# Allegro board 038RT-9068CJK8E-A100_0921.brd (continued)
## Routing (per net, layer and track width the routed paths; a pad name or vN(x,y) marks a point on that pad's centre or on a via; arc(x,y) is an arc through that point) (continued)
SG0_GPIOC_5: length 78.8
  L03_SIGNAL w0.102: v1(95,202.22) 95.4,202.62 100.22,202.62
  L03_SIGNAL w0.145: 100.22,202.62 103.17,202.62 105.24,200.54 118.13,200.54 119.11,201.51 125.65,201.51 126.26,202.12 133.38,202.12 135.9,199.6 140.24,199.6 140.94,198.9 150.63,198.9 155.89,193.64 157.13,193.64 160.74,190.03 160.74,186 v2(161.37,185.37)
  BOTTOM w0.115: R573.1 v2(161.37,185.37)
SG0_GPIOD_0: length 70.2
  L05_SIGNAL w0.102: v1(95.8,201.42) 96.2,201.02 96.2,198.6
  L05_SIGNAL w0.105: 96.2,198.6 96.2,196.93 97.72,195.41 97.72,192.54 106.02,184.23 113.15,184.23 114.54,185.62 125.43,185.62 125.92,186.11 125.92,189.06 126.33,189.47 126.33,190.89 127.04,191.6 128.46,191.6 128.69,191.83 133.11,191.83 135.34,189.6 143.59,189.6 143.6,189.59 145.58,189.59 v2(147.4,187.77)
SG0_GPIOD_1: length 74.4
  L03_SIGNAL w0.102: v1(95.8,202.22) 96.2,201.82 100.22,201.82
  L03_SIGNAL w0.145: 100.22,201.82 102.83,201.82 104.77,199.89 127.07,199.89 127.89,200.71 133.87,200.71 135.71,198.86 139.63,198.86 140.66,197.83 150.85,197.83 155.64,193.05 155.78,193.05 155.82,193 156.66,193 159.5,190.16 159.5,185.96 v2(160.1,185.37)
SG0_GPIOD_2: length 86.6
  L07_SIGNAL w0.102: v1(96.6,205.42) 97,205.82 100.22,205.82
  L07_SIGNAL w0.105: 100.22,205.82 100.7,205.82 101.63,204.89 101.63,201.87 108.62,194.88 111.3,194.88 116.88,189.29 126.64,189.29 131.03,193.68 161.79,193.68 167.08,188.38 167.08,186 v2(167.72,185.37)
SG0_GPIOE_0: length 76.7
  L03_SIGNAL w0.102: 100.22,203.42 97,203.42 v1(96.6,203.82)
  L03_SIGNAL w0.145: 100.22,203.42 103.75,203.42 105.06,202.11 125.4,202.11 126.09,202.8 133.93,202.8 135.82,200.9 145.23,200.9 146.31,199.82 150.73,199.82 156.27,194.28 157.87,194.28 162,190.14 162,186 v2(162.64,185.37)
SG0_GPIOE_1: length 79.1
  L03_SIGNAL w0.102: 100.22,204.22 97,204.22 v1(96.6,204.62)
  L03_SIGNAL w0.145: 100.22,204.22 125.55,204.22 126.26,203.51 135.21,203.51 135.84,202.88 148.67,202.88 156.67,194.88 160.96,194.88 163.27,192.56 163.27,186 v2(163.91,185.37)
SG0_GPIOE_2: length 84.9
  L07_SIGNAL w0.102: 95.4,198.6 95.4,203.42 v1(95,203.82)
  L07_SIGNAL w0.105: v2(160.1,187.77) 160.1,189.01 157.34,191.77 132.03,191.77 126.05,185.79 119.17,185.79 118.28,184.91 102.35,184.91 98.92,188.34 98.92,194.9 95.4,198.42 95.4,198.6
SG0_GPIOE_3: length 83.5
  L07_SIGNAL w0.102: v1(94.2,203.82) 94.6,203.42 94.6,198.6
  L07_SIGNAL w0.105: 94.6,198.6 94.6,198.14 98.16,194.58 98.16,188.02 101.9,184.28 118.6,184.28 119.4,185.08 127.72,185.08 128.7,186.06 147.07,186.06 147.92,186.91 147.92,188.76 148.54,189.38 157.22,189.38 v2(158.83,187.77)
SG0_GPIOE_4: length 86.9
  L07_SIGNAL w0.102: 96.35,198.6 96.2,198.75 96.2,203.42 v1(95,204.62)
  L07_SIGNAL w0.105: 96.35,198.6 99.72,195.23 99.72,188.67 102.91,185.48 117.89,185.48 118.76,186.35 125.7,186.35 131.76,192.41 158.01,192.41 v2(162.64,187.77)
SG0_GPIOF_0: length 91.4
  L07_SIGNAL w0.102: v1(94.2,204.62) 93.8,204.22 93.8,198.6
  L07_SIGNAL w0.105: 93.8,198.6 93.8,198.08 96.48,195.4 96.48,185.61 99.04,183.04 148.77,183.04 149.41,183.69 149.41,188.29 149.7,188.58 156.48,188.58 156.95,188.11 156.95,185.98 v2(157.56,185.37)
  BOTTOM w0.115: R577.1 v2(157.56,185.37)
SG0_GPIOF_1: length 87.5
  L07_SIGNAL w0.102: v1(93.4,204.62) 93,204.22 93,198.6
  L07_SIGNAL w0.105: v2(156.29,185.37) 154.96,186.7 151.28,186.7 150.59,186 150.59,183.68 149.31,182.39 98.56,182.39 95.68,185.27 95.68,195.23 93,197.9 93,198.6
  BOTTOM w0.115: R576.1 v2(156.29,185.37)
SG0_GPIOF_2: length 87.4
  L07_SIGNAL w0.102: 92.2,198.6 92.2,204.22 v1(92.6,204.62)
  L07_SIGNAL w0.105: 92.2,198.6 92.2,197.78 94.58,195.4 94.58,184.38 97.26,181.71 149.71,181.71 151.82,183.81 151.82,185.56 152.27,186.01 154.37,186.01 v2(155.02,185.37)
  BOTTOM w0.115: R575.1 v2(155.02,185.37)
SG0_GPIOF_3: length 86.7
  L07_SIGNAL w0.102: v1(91.8,204.62) 91.4,204.22 91.4,198.6
  L07_SIGNAL w0.105: v2(153.75,185.37) 153.1,184.72 153.1,183.68 150.53,181.1 96.73,181.1 93.78,184.05 93.78,195.16 91.4,197.55 91.4,198.6
  BOTTOM w0.115: R574.1 v2(153.75,185.37)
SG0_GPIOF_4: length 86.7
  L07_SIGNAL w0.102: 100.22,205.02 95.4,205.02 v1(95,205.42)
  L07_SIGNAL w0.105: v2(166.45,185.37) 165.6,186.22 165.6,188.59 161.15,193.04 131.33,193.04 126.78,188.49 116.55,188.49 110.96,194.08 108.29,194.08 100.83,201.54 100.83,204.56 100.37,205.02 100.22,205.02
SG0_HL_P1_TXD0: length 7.5
  BOTTOM w0.115: RRG51.1 RRG52.1 136.24,233.08 136.46,232.87 140,232.87 K225.2
SG0_HL_P1_TXD1: length 7.5
  BOTTOM w0.115: K225.7 139.96,232.05 136.46,232.05 136.2,231.79 RRG54.1 RRG53.1
SG0_HL_P1_TXD2: length 7.5
  BOTTOM w0.115: RRG55.1 RRG56.1 151.48,233.08 151.7,232.87 155.24,232.87 K226.2
SG0_HL_P1_TXD3: length 7.5
  BOTTOM w0.115: RRG57.1 RRG58.1 151.44,231.79 151.7,232.05 155.2,232.05 K226.7
SG0_HL_P5_TXD0: length 7.5
  BOTTOM w0.115: K227.2 140,239.22 136.46,239.22 136.24,239.43 RRG92.1 RRG91.1
SG0_HL_P5_TXD1: length 7.5
  BOTTOM w0.115: K227.7 139.96,238.4 136.46,238.4 136.2,238.14 RRG94.1 RRG93.1
SG0_HL_P5_TXD2: length 7.5
  BOTTOM w0.115: K228.2 155.24,239.22 151.7,239.22 151.48,239.43 RRG96.1 RRG95.1
SG0_HOLD: length 40.3
  L03_SIGNAL w0.102: v1(95,211.02) 94.6,211.42 94.6,213.74
  L03_SIGNAL w0.145: 94.6,213.74 94.6,214.94 92.39,217.15 89.14,217.15 88.5,216.51 84.27,216.51 83.67,215.91 74.87,215.91 71.57,219.22 68.4,219.22 67.93,219.69 67.93,220.7 v1(64.02,224.61)
SG0_INH: length 68.2
  L05_SIGNAL w0.102: v1(91.8,201.42) 92.2,201.02 92.2,198.6
  L05_SIGNAL w0.105: v2(133.43,185.37) 132.81,185.98 132.81,188.19 131.96,189.05 129.84,189.05 128.69,187.91 128.69,181.99 127.97,181.26 127.62,181.26 102.35,181.26 102.34,181.27 101.7,181.27 100.64,182.33 95.99,182.33 92.54,185.78 92.54,195.59 92.2,195.94 92.2,198.6
SG0_LDOIN: length 20.2
  TOP w0.508: SG0_LDOIN.1 125.34,214.24 119.06,214.24 118.66,213.84 108.65,213.84 v1(107.81,213)
  vias: v1(91,208.62) v1(91,207.82) v1(91.8,208.62) v1(91.8,207.82) v1(91.8,203.82) v1(92.6,203.82) v1(107.18,213)
SG0_MCT1: length 4.7
  TOP w0.115: R135.1 v2(51.73,109.07) ; T13.2 v2(54.59,109.07)
  L03_SIGNAL w0.145: v2(51.73,109.07) v2(54.59,109.07)
SG0_MCT2: length 5
  TOP w0.115: R136.1 v2(57.76,109.07) ; T13.7 v2(60.94,109.07)
  L03_SIGNAL w0.145: v2(57.76,109.07) v2(60.94,109.07)
SG0_MCT_RC: length 8.7
  L03_SIGNAL w0.145: v2(57.76,107.48) 57.45,107.8 52.05,107.8 v2(51.73,107.48) 49.85,107.48 v2(49.51,107.82)
SG0_NGATE: length 63.4
  L05_SIGNAL w0.102: 91.4,198.6 91.4,202.51 91.3,202.62 89.79,202.62 v1(89.4,202.22)
  L05_SIGNAL w0.105: v2(129.62,185.37) 129.62,181.37 128.92,180.68 101.04,180.68 100.06,181.66 95.8,181.66 91.88,185.57 91.88,195.27 91.4,195.76 91.4,198.6
SG0_P0_LDOOUT: length 1.8
  TOP w0.508: CG101.1 88.13,178.12 v2(88.12,178.11)
  vias: v1(91,204.62) v1(91,203.82)
SG0_P0_LED: length 26.8
  L05_SIGNAL w0.102: 90.53,213.84 90.6,213.78 90.6,210.62 v1(91,210.22)
  L05_SIGNAL w0.105: v2(86.85,235.26) 88.74,233.38 88.74,217.56 90.46,215.84 90.46,213.91 90.53,213.84
SG0_P0_MDI+: length 23.4
  TOP w0.105: v1(85.4,200.62) 85.23,200.45 84.61,200.45 84.23,200.07 84.23,197.94 82.23,195.94 73.29,195.94 69.89,192.54 67.18,192.54 T2.4
SG0_P0_MDI-: length 23.4
  TOP w0.105: T2.3 67.18,192.08 70.09,192.08 73.48,195.47 82.42,195.47 84.7,197.75 84.7,199.88 84.81,199.99 85.23,199.99 v1(85.4,199.82)
SG0_P0_RXC: length 160.4
  L09_SIGNAL w0.105: v2(126.86,184.15) 124.68,186.33 119.71,186.33 111.98,194.07 108.61,194.07 106.42,196.25 92.97,196.25 v1(90.2,199.02)
  L13_SIGNAL w0.105: v2(126.86,184.15) 126.33,184.67 126.33,187.61 125.2,188.74 121.54,188.74 119.82,190.46 119.82,213.49 120.56,214.24 123.76,214.24 124.35,213.65 124.35,212.28 125.41,211.21 128.71,211.21 130.82,209.11 134.61,209.11 134.96,209.46 146.08,209.46 149.11,206.43 164.51,206.43 170.83,212.76 183.36,212.76 184.55,213.95 184.55,217.2 185.35,218 189.5,218 K181.7
SG0_P0_RXD0: length 177.8
  L09_SIGNAL w0.102: 100.22,201.82 93.14,201.82 93,201.67 93,200.22 v1(92.6,199.82)
  L09_SIGNAL w0.105: v2(126.86,209.55) 125.08,207.77 121.27,207.77 117.02,203.52 106.27,203.52 104.57,201.82 100.22,201.82
  L13_SIGNAL w0.105: v2(126.86,209.55) 126.86,207.76 127.7,206.91 127.7,193.91 130.52,191.09 166.16,191.09 166.76,191.68 166.76,192.96 165.99,193.73 156.1,193.73 155.08,194.75 155.08,198.42 155.97,199.31 168.13,199.31 169.72,200.9 169.72,208.22 171.75,210.25 193.31,210.25 200.99,217.92 205.18,217.92 K180.7
SG0_P0_RXD1: length 158.6
  L09_SIGNAL w0.105: v1(92.6,199.02) 94.24,197.38 111.36,197.38 116.43,192.31 125.05,192.31 v2(126.86,190.5)
  L13_SIGNAL w0.105: K181.2 186.47,211.77 171.21,211.77 168.6,209.16 168.6,203.09 166.89,201.38 147.15,201.38 145.09,203.44 145.09,207.72 144.33,208.47 135.85,208.47 133.33,205.96 129.51,205.96 128.75,206.71 128.75,209.72 127.82,210.65 125.18,210.65 123.78,212.04 123.78,213.41 123.52,213.67 120.8,213.67 120.38,213.26 120.38,192.73 120.88,192.23 125.13,192.23 v2(126.86,190.5)
SG0_P0_RXD2: length 141.8
  L09_SIGNAL w0.102: v1(91.8,199.82) 92.2,200.22 92.2,203.28 92.34,203.42 100.05,203.42 100.06,203.42 100.22,203.42
  L09_SIGNAL w0.105: v2(124.95,212.72) 123.1,210.88 120.8,210.88 119.16,209.24 119.16,207.71 118.36,206.91 111.52,206.91 109.73,205.12 105.61,205.12 103.91,203.42 100.22,203.42
  L13_SIGNAL w0.105: v2(124.95,212.72) 124.95,213.96 125.85,214.86 125.85,217.39 127.54,219.08 133.46,219.08 134.67,217.87 134.67,212.76 135.28,212.15 148.11,212.15 151.75,208.52 164.14,208.52 167.21,211.59 167.21,214.44 164.65,217 164.65,232.15 165.66,233.15 179.17,233.15 179.9,232.43 179.9,230.43 179.44,229.98 176.5,229.98 K182.2
SG0_P0_RXD3: length 159
  L09_SIGNAL w0.105: v2(121.14,187.32) 120.12,187.32 112.81,194.63 108.84,194.63 106.66,196.82 94,196.82 v1(91.8,199.02)
  L13_SIGNAL w0.105: v2(121.14,187.32) 119.18,189.29 119.18,215.24 121.5,217.56 124.63,217.56 127.01,219.94 133.41,219.94 135.54,217.81 135.54,215.71 138.21,213.04 155.53,213.04 161.21,218.72 161.21,227.57 164.08,230.44 164.08,232.5 165.39,233.81 184.21,233.81 185.03,232.99 185.03,231.18 185.8,230.4 189.43,230.4 K183.2
SG0_P0_RXDV: length 178.6
  L09_SIGNAL w0.102: v1(91,199.82) 91.4,200.22 91.4,204.02 91.6,204.22 100.05,204.22 100.06,204.22 100.22,204.22
  L09_SIGNAL w0.105: v2(123.05,212.72) 122,211.68 120.46,211.68 118.36,209.58 118.36,208.04 118.03,207.71 111.19,207.71 109.4,205.92 105.28,205.92 103.58,204.22 100.22,204.22
  L13_SIGNAL w0.105: v2(123.05,212.72) 123.05,211.33 124.05,210.33 124.05,208.97 126.49,206.53 126.49,193.51 130.66,189.34 167.69,189.34 168.35,190 168.35,193.29 166.87,194.77 161.98,194.77 161.46,195.29 161.46,197.74 162.07,198.36 168.48,198.36 170.72,200.6 170.72,207.38 172.54,209.2 204.84,209.2 206.81,211.18 K180.2
SG0_P0_TESTD: length 63.5
  L05_SIGNAL w0.102: v1(90.2,199.82) 90.6,199.42 90.6,198.6
  L05_SIGNAL w0.105: 90.6,198.6 90.6,186.01 95.57,181.03 99.53,181.03 100.51,180.05 129.32,180.05 130.3,181.02 130.3,187.18 v2(130.89,187.77)
SG0_P0_TXC: length 121.7
  L09_SIGNAL w0.102: 100.22,205.02 100.06,205.02 100.05,205.02 89.18,205.02 89,204.84 89,200.22 v1(88.6,199.82)
  L09_SIGNAL w0.105: 100.22,205.02 100.63,205.02 104.53,208.93 116.51,208.93 120.31,212.72 v2(121.14,212.72)
  L11_SIGNAL w0.105: K233.2 175.3,223.58 174.77,224.11 168.31,224.11 162.63,218.43 151.02,218.43 150.56,218.89 150.56,222.45 149.54,223.47 147.25,223.47 146.31,222.52 146.31,215.94 143.05,212.68 135.77,212.68 134.74,213.71 134.74,218.98 134.16,219.56 127.84,219.56 127.17,218.89 127.17,215.37 125.81,214.02 122.43,214.02 v2(121.14,212.72)
SG0_P0_TXD0: length 130.4
  L09_SIGNAL w0.102: v1(87.8,199.82) 88.2,200.22 88.2,205.66 88.36,205.82 100.05,205.82 100.06,205.82 100.22,205.82
  L09_SIGNAL w0.105: 100.22,205.82 100.4,205.82 104.31,209.73 115.9,209.73 120.21,214.03 123.08,214.03 v2(124.95,215.9)
  L11_SIGNAL w0.105: K182.7 173.9,230.57 165.19,230.57 161.17,226.55 161.17,220.78 160.47,220.09 154.56,220.09 153.82,220.83 153.82,225.45 152.82,226.45 150.78,226.45 149.45,225.13 146.47,225.13 146.08,225.52 131.11,225.52 128.6,223.01 119.76,223.01 118.77,222.01 118.77,218.08 119.86,216.99 123.86,216.99 v2(124.95,215.9)
SG0_P0_TXD1: length 155.1
  L09_SIGNAL w0.105: v1(87.8,199.02) 87.8,195.85 89.89,193.75 98.25,193.75 107.3,184.71 120.59,184.71 v2(121.14,184.15)
  L11_SIGNAL w0.105: K231.7 189.64,224.35 184.36,224.35 181.34,221.33 167.38,221.33 164.91,218.87 163.86,218.87 162.53,217.54 150.17,217.54 144.57,211.94 132.85,211.94 131.97,211.06 126.86,211.06 125.81,210.01 125.81,202.89 126.66,202.05 132.69,202.05 133.62,201.12 133.62,195.34 132.75,194.47 125.59,194.47 122.11,190.99 122.11,185.12 v2(121.14,184.15)
SG0_P0_TXD2: length 129
  L09_SIGNAL w0.102: 100.22,206.77 100.07,206.62 100.06,206.62 100.05,206.62 87.58,206.62 87.4,206.44 87.4,200.22 v1(87,199.82)
  L09_SIGNAL w0.105: 100.22,206.77 103.97,210.53 115.57,210.53 119.88,214.83 121.98,214.83 v2(123.05,215.9)
  L11_SIGNAL w0.105: v2(123.05,215.9) 123.05,215.26 123.68,214.63 125.51,214.63 126.24,215.36 126.24,219.64 126.72,220.12 134.78,220.12 135.3,219.6 135.3,213.94 135.89,213.35 142.81,213.35 145.61,216.15 145.61,222.92 146.84,224.15 151.53,224.15 152.22,223.45 152.22,221.12 154.36,218.99 161.49,218.99 165.82,223.32 165.82,225.84 167.3,227.33 175.25,227.33 175.55,227.02 175.55,226.02 K233.7
SG0_P0_TXD3: length 119.2
  L09_SIGNAL w0.105: v2(123.05,184.15) 121.94,183.04 106.61,183.04 97.56,192.09 90.08,192.09 87,195.17 v1(87,199.02)
  L11_SIGNAL w0.105: K232.2 173.12,214.18 154.31,214.18 145.63,205.5 145.63,197.54 139.91,191.83 132.25,191.83 128.48,188.06 128.48,183.76 127.54,182.83 124.37,182.83 v2(123.05,184.15)
SG0_P0_TXEN: length 126.2
  L09_SIGNAL w0.105: v2(124.95,184.15) 123.38,185.72 119.27,185.72 111.54,193.46 108.36,193.46 106.17,195.64 89.97,195.64 88.6,197.02 v1(88.6,199.02)
  L11_SIGNAL w0.105: K232.7 173.69,217.95 169.36,217.95 166.73,215.32 164.57,215.32 163.22,216.68 150.61,216.68 145.23,211.29 133.56,211.29 132.97,210.7 132.97,203.4 134.81,201.56 134.81,194.68 133.71,193.58 126.89,193.58 125.96,192.66 125.96,185.16 v2(124.95,184.15)
SG0_P0_VDDIO: length 0.8
  BOTTOM w0.508: CG138.1 86.2,198.24 v1(86.2,199.02)
  vias: v1(83.49,195.01) v1(83.49,194.38) v1(89.4,199.82) v1(89.4,199.02)
SG0_P1_LDOOUT: length 28.3
  L05_SIGNAL w0.102: 100.22,209.02 93.8,209.02 v1(93.4,208.62)
  L05_SIGNAL w0.105: v2(121.14,209.55) 120.95,209.74 101.6,209.74 100.88,209.02 100.22,209.02
  vias: v1(92.6,208.62)
SG0_P1_LED: length 25.5
  L05_SIGNAL w0.102: 92.2,213.84 92.2,211.42 v1(91.8,211.02)
  L05_SIGNAL w0.105: v2(90.66,235.26) 91.41,234.51 91.41,228.66 90.87,228.12 90.87,217.88 92.2,216.56 92.2,213.84
SG0_P1_MDI+: length 30.2
  L46_SIGNAL w0.102: v1(86.2,201.42) 85.8,201.02 85.18,201.02 85,200.85 84.98,200.85
  L46_SIGNAL w0.136: 84.98,200.85 84.38,200.85 83.32,199.78 83.32,197.93 81.4,196.01 71.85,196.01 69.99,194.15 69.99,188.03 69.29,187.33 67,187.33 66.79,187.54 v1(66.79,187.72)
SG0_P1_MDI-: length 30.2
  L46_SIGNAL w0.102: v1(86.2,200.62) 85.8,200.22 85.18,200.22 85,200.39 84.98,200.39
  L46_SIGNAL w0.136: v1(66.79,186.47) 66.79,186.65 67.03,186.88 69.48,186.88 70.44,187.84 70.44,193.96 72.04,195.56 81.59,195.56 83.77,197.74 83.77,199.59 84.57,200.39 84.98,200.39
SG0_P1_RXC: length 76.3
  L07_SIGNAL w0.102: v1(96.6,212.62) 96.97,213 96.97,214.04 97.15,214.22 97.15,214.52
  L07_SIGNAL w0.105: v2(123.05,222.25) 122,221.2 120.32,221.2 118.87,222.65 118.19,222.65 117.33,221.79 117.33,216.39 116.76,215.82 110.86,215.82 110.16,216.52 110.16,217.85 110.82,218.52 113.56,218.52 114.32,219.27 114.32,227.2 110.9,230.62 104.77,230.62 v1(104.26,231.13) 104.26,230.7 105,229.97 105,222.95 101.94,219.89 101.94,217.16 101.69,216.9 101.01,216.9 100.59,217.32 100.59,220.38 100.41,220.56 99.91,220.56 99.57,220.23 99.57,217.52 97.15,215.1 97.15,214.52
  BOTTOM w0.115: v1(104.26,231.13) RR504.2
SG0_P1_RXD0: length 64
  L07_SIGNAL w0.102: v1(94.2,212.62) 94.6,213.03 95.23,213.03 95.39,213.18 95.39,213.45 95.4,213.46 95.4,213.69 95.55,213.84
  L07_SIGNAL w0.105: v2(123.05,219.07) 123.71,219.74 123.71,222.26 122.35,223.62 119.8,223.62 111.22,232.2 102.51,232.2 102.21,231.9 98.93,231.9 v1(98.16,231.13) 98.75,230.55 100.7,230.55 101.36,229.89 101.36,227.35 101.09,227.08 99.39,227.08 99.2,227.26 99.2,227.89 98.85,228.24 96.89,228.24 96.24,227.59 96.24,223.65 98.05,221.84 98.05,218.59 95.57,216.11 95.57,213.86 95.55,213.84
  BOTTOM w0.115: v1(98.16,231.13) RR500.2
SG0_P1_RXD1: length 67.3
  L07_SIGNAL w0.102: 94.2,213.84 v1(94.2,213.42)
  L07_SIGNAL w0.105: v1(100.2,229.07) 99.68,229.58 93.72,229.58 93.39,229.25 93.39,228.56 94,227.95 94,217.83 94.2,217.63 94.2,213.84
  L09_SIGNAL w0.105: v1(100.2,229.07) 100.74,228.53 107.62,228.53 109.51,230.42 125.22,230.42 125.92,229.71 125.92,228.26 125.42,227.76 118.75,227.76 118.48,227.49 118.48,226.96 118.76,226.68 123.7,226.68 v2(124.95,225.43)
  BOTTOM w0.115: v1(100.2,229.07) RR501.2
SG0_P1_RXD2: length 54.8
  L07_SIGNAL w0.102: 93.64,213.84 93.64,213.73 93.79,213.58 93.79,213.46 93.8,213.45 93.8,212.4 93.98,212.22 94.6,212.22 v1(95,212.62)
  L07_SIGNAL w0.105: v2(121.14,225.43) 118.78,225.43 111.45,232.75 102.28,232.75 101.98,232.45 98.7,232.45 97.38,231.13 v1(96.13,231.13) 95.98,231.13 95.53,230.68 93.48,230.68 92.78,229.98 92.78,225.05 90.42,222.69 90.42,216.33 91.48,215.27 92.68,215.27 93.64,214.31 93.64,213.84
  BOTTOM w0.115: v1(96.13,231.13) RR502.2
SG0_P1_RXD3: length 46.7
  L07_SIGNAL w0.102: v1(95,213.42) 95,213.84
  L07_SIGNAL w0.105: v1(94.1,229.07) 94.55,228.62 94.55,228.18 94.55,228.18 94.55,218.17 95,217.72 95,213.84
  L09_SIGNAL w0.105: v1(94.1,229.07) 94.9,228.27 98.66,228.27 99.08,227.85 114.86,227.85 116.77,225.95 120.2,225.95 120.35,226.1 122.37,226.1 v2(123.05,225.43)
  BOTTOM w0.115: v1(94.1,229.07) RR503.2
SG0_P1_RXDV: length 71.5
  L07_SIGNAL w0.102: 96.19,214.52 96.19,213.01 v1(95.8,212.62)
  L07_SIGNAL w0.105: 96.19,214.52 96.19,215.3 98.86,217.97 98.86,222.09 96.81,224.13 96.81,225.9 97.06,226.15 102.28,226.15 102.47,225.97 102.47,225.54 102.29,225.36 98.42,225.36 98.24,225.18 98.24,224.85 98.41,224.68 102.17,224.68 102.35,224.5 102.35,224.15 102.18,223.98 98.58,223.98 98.39,223.79 98.39,223.43 98.7,223.12 102.43,223.12 103.19,223.89 103.19,230.17 v1(102.23,231.13) 102.74,231.64 110.99,231.64 120.39,222.25 v2(121.14,222.25)
  BOTTOM w0.115: v1(102.23,231.13) RR505.2
SG0_P1_TESTD: length 24.3
  L05_SIGNAL w0.102: 98.6,213.84 98.6,213.02 v1(98.2,212.62)
  L05_SIGNAL w0.105: v2(102.09,235.26) 101.72,234.89 101.72,228.71 99.9,226.89 99.9,217.71 98.6,216.4 98.6,213.84
SG0_P1_TXC: length 249.3
  L07_SIGNAL w0.105: v1(97.4,213.42) 97.4,213.88 98.16,214.64 106.36,214.64 107.34,213.66 123.71,213.66 124.15,214.1 124.15,214.95 123.89,215.21 118.57,215.21 118,215.78 118,220.06 118.7,220.75 119.44,220.75 119.9,220.29 119.9,217.89 120.12,217.67 124.38,217.67 125.57,218.86 125.57,221.64 v2(124.95,222.25)
  L15_SIGNAL w0.105: v1(274.78,224.9) 274.56,225.12 274.56,226.1 271.14,229.52 259.32,229.52 258.74,228.94 217.73,228.94 214.53,225.73 214.53,205.64 207.86,198.97 138.01,198.97 134.61,202.37 134.61,206.95 127.42,214.14 127.42,222.76 127.21,222.97 125.67,222.97 v2(124.95,222.25)
  BOTTOM w0.115: v1(274.78,224.9) RR524.2
SG0_P1_TXD0: length 127.9
  L09_SIGNAL w0.105: SG0_P1_TXD0.1 144.67,235.33 149.47,235.33 152.49,238.35 167.57,238.35 168.44,237.47 168.44,226.69 167.87,226.12 165.92,226.12 165.49,226.55 165.49,233.24 163.14,235.6 155.23,235.6 154.81,235.17 154.81,233.24 154.25,232.69 137.16,232.69 137.03,232.56 137.02,232.56 136.04,231.58 136.04,231.57 136.04,231.57 136.04,229.41 132.76,226.13 131.61,226.13 130.64,225.16 130.64,224.35 130.64,223.89 126.33,219.58 120.69,219.58 117.4,216.3 112.82,216.3 110.56,214.04 99.61,214.04 v1(99,213.42)
SG0_P1_TXD1: length 111.2
  L09_SIGNAL w0.102: v1(99,212.62) 99.4,213.03 99.96,213.03 100.11,213.18 100.22,213.18
  L09_SIGNAL w0.105: SG0_P1_TXD1.1 145.67,228.54 146.63,228.54 149.35,225.82 149.35,219.26 150.73,217.88 160.09,217.88 161.11,218.9 161.11,226.15 159.92,227.34 151.32,227.34 146.65,232.01 137.25,232.01 136.59,231.35 136.59,228.91 133.94,226.26 133.94,221.9 131.93,219.89 127.87,219.89 126.05,218.07 120.06,218.07 117.61,215.63 112.93,215.63 110.79,213.48 104.18,213.48 103.88,213.18 100.22,213.18
SG0_P1_TXD2: length 146.4
  L09_SIGNAL w0.105: SG0_P1_TXD2.1 157.27,232.69 155.71,232.69 155,231.99 155,229.61 156.13,228.48 162.8,228.48 164.04,227.24 164.04,214.81 163.32,214.09 158.32,214.09 158.05,213.82 158.05,213.17 158.36,212.87 161.5,212.87 161.74,212.63 161.74,211.98 161.5,211.74 154.16,211.74 153.79,211.36 153.79,210.32 154.14,209.97 162.31,209.97 162.64,209.64 162.64,208.99 162.31,208.65 152.44,208.65 148.09,213 148.09,223.75 143.49,228.35 138.89,228.35 134.73,224.18 134.73,220.34 133.72,219.33 128.15,219.33 126.34,217.52 120.29,217.52 117.35,214.57 112.67,214.57 110.41,212.32 104.87,212.32 104.57,212.62 v1(99.8,212.62)
SG0_P1_TXD3: length 119.2
  L09_SIGNAL w0.102: 105.9,211.41 99.4,211.41 v1(99,211.82)
  L09_SIGNAL w0.105: 105.9,211.41 106.23,211.74 110.62,211.74 112.9,214.02 117.58,214.02 120.52,216.96 126.57,216.96 128.38,218.77 133.95,218.77 135.67,220.49 135.67,224.3 139.02,227.65 143.22,227.65 146,224.87 146,213.56 151.59,207.97 163.07,207.97 164.7,209.6 164.7,231.37 163.69,232.38 160.16,232.38 SG0_P1_TXD3.1
SG0_P1_TXEN: length 270.7
  L07_SIGNAL w0.105: v1(98.2,213.42) 98.2,213.74 98.48,214.02 105.62,214.02 105.77,213.88 105.77,213.46 105.64,213.32 102.26,213.32 102.07,213.12 102.07,212.68 102.37,212.37 115.71,212.37 116.02,212.06 123.3,212.06 125.52,214.29 125.52,216.03 125.63,216.13 126.05,216.13 126.16,216.03 126.16,214.71 126.31,214.56 126.74,214.56 126.86,214.67 v2(126.86,222.25)
  L15_SIGNAL w0.105: v2(126.86,222.25) 124.93,220.32 120.73,220.32 119.83,219.41 119.83,209.23 120.92,208.14 132.53,208.14 133.28,207.38 133.28,195.63 134.35,194.56 211,194.56 215.45,199 215.45,225.13 218.65,228.34 258.99,228.34 259.37,228.71 270.64,228.71 273.66,225.69 273.66,222.21 v1(274.78,221.09)
  BOTTOM w0.115: v1(274.78,221.09) RR525.2
SG0_P1_VDDIO:
  vias: v1(96.6,213.42) v1(96.6,211.82) v1(96.84,218.38) v1(97.38,219.84) v1(97.38,219.21) v1(97.4,212.62)
SG0_P2_GIGA_MDI+: length 23.8
  TOP w0.105: GOLD0.A16 85.23,210.85 62.25,210.85 T24.4
SG0_P2_GIGA_MDI-: length 23.8
  TOP w0.105: GOLD0.A15 85.23,210.39 62.25,210.39 T24.3
SG0_P2_LED: length 26.4
  L05_SIGNAL w0.102: v1(91.8,210.22) 91.4,210.62 91.4,213.74 91.5,213.84
  L05_SIGNAL w0.105: 91.5,213.84 91.57,213.91 91.57,216.3 90.25,217.62 90.25,227.55 89.46,228.34 89.46,234.56 v2(88.76,235.26)
SG0_P3_GIGA_MDI+: length 25
  TOP w0.105: GOLD0.A18 85.23,212.45 84.43,212.45 83.34,213.54 72.64,213.54 70.69,215.49 62.25,215.49 T25.4
SG0_P3_GIGA_MDI-: length 25
  TOP w0.105: GOLD0.A17 85.23,211.99 84.23,211.99 83.15,213.08 72.45,213.08 70.5,215.03 62.25,215.03 T25.3
SG0_P3_LED: length 25.9
  L05_SIGNAL w0.102: 93,213.84 93,210.62 v1(92.6,210.22)
  L05_SIGNAL w0.105: 93,213.84 93,217.09 92.57,217.52 92.57,227.84 93.21,228.49 93.21,234.62 v2(92.57,235.26)
SG0_P4_HSI+: length 43.8
  L46_SIGNAL w0.136: v3(129.49,225.45) 129.3,225.64 arc(129.11,225.76) 128.89,225.81 128.51,225.81 arc(128.42,225.79) 128.34,225.74 126.37,223.77 arc(126.15,223.62) 125.89,223.57 120.87,223.57 arc(120.78,223.55) 120.7,223.5 117.78,220.58 arc(117.73,220.5) 117.72,220.42 117.72,210.72 arc(117.66,210.46) 117.52,210.24 116.85,209.57 arc(116.63,209.42) 116.37,209.37 103.75,209.37 arc(103.66,209.35) 103.59,209.3 102.89,208.61 arc(102.67,208.46) 102.41,208.41 99.87,208.41 arc(99.61,208.36) 99.39,208.21 v1(99,207.82)
SG0_P4_HSI-: length 43.8
  L46_SIGNAL w0.136: v3(129.49,226.62) 129.3,226.43 arc(129.11,226.3) 128.89,226.26 128.51,226.26 arc(128.24,226.21) 128.02,226.06 127.41,225.44 arc(127.28,225.36) 127.14,225.33 127.11,225.33 arc(126.98,225.3) 126.87,225.23 126.83,225.19 arc(126.75,225.08) 126.73,224.95 126.73,224.92 arc(126.7,224.78) 126.62,224.65 126.05,224.09 arc(125.98,224.04) 125.89,224.02 120.87,224.02 arc(120.6,223.97) 120.38,223.82 117.46,220.9 arc(117.31,220.68) 117.26,220.42 117.26,210.72 arc(117.25,210.63) 117.2,210.56 116.53,209.89 arc(116.45,209.84) 116.37,209.82 103.75,209.82 arc(103.49,209.77) 103.27,209.62 102.57,208.93 arc(102.5,208.88) 102.41,208.86 99.4,208.86 arc(99.25,208.83) 99.13,208.75 v1(99,208.62)
SG0_P4_HSO+: length 46.2
  TOP w0.105: v1(129.49,227.96) 129.28,228.16 arc(129.14,228.26) 128.98,228.31 arc(128.96,228.31) 128.93,228.31 128.82,228.31 arc(128.72,228.33) 128.63,228.39 127.1,229.92 arc(127.07,229.94) 127.03,229.95 110.25,229.95 arc(110.21,229.94) 110.18,229.92 102.55,222.3 arc(102.53,222.26) 102.52,222.22 102.52,210.66 arc(102.48,210.44) 102.36,210.26 101.05,208.95 arc(100.87,208.83) 100.65,208.79 100.07,208.79 arc(99.97,208.77) 99.89,208.71 GOLD0.W13
SG0_P4_HSO-: length 46.2
  TOP w0.105: GOLD0.W14 99.89,209.33 arc(99.97,209.27) 100.07,209.25 100.65,209.25 arc(100.69,209.26) 100.72,209.28 102.03,210.59 arc(102.05,210.62) 102.06,210.66 102.06,222.22 arc(102.1,222.44) 102.23,222.62 109.85,230.25 arc(110.03,230.37) 110.25,230.41 127.03,230.41 arc(127.25,230.37) 127.43,230.25 128.83,228.84 arc(128.91,228.79) 129.01,228.77 129.03,228.77 arc(129.13,228.79) 129.21,228.85 v1(129.49,229.12)
SG0_P5_HSI+: length 33.8